# Altium PCB Carrier-Board-Apalis.PcbDoc (part 5 of 5)
Units mm, origin at the board's own origin, x right, y up, seen from the top; angles counter-clockwise.
Board outline 97 x 270 mm, 4 copper layers (Top Layer, VCC, GND, Bottom Layer), stack 1.62 mm thick; 326 components, 351 nets, 1611 pads, 935 vias.
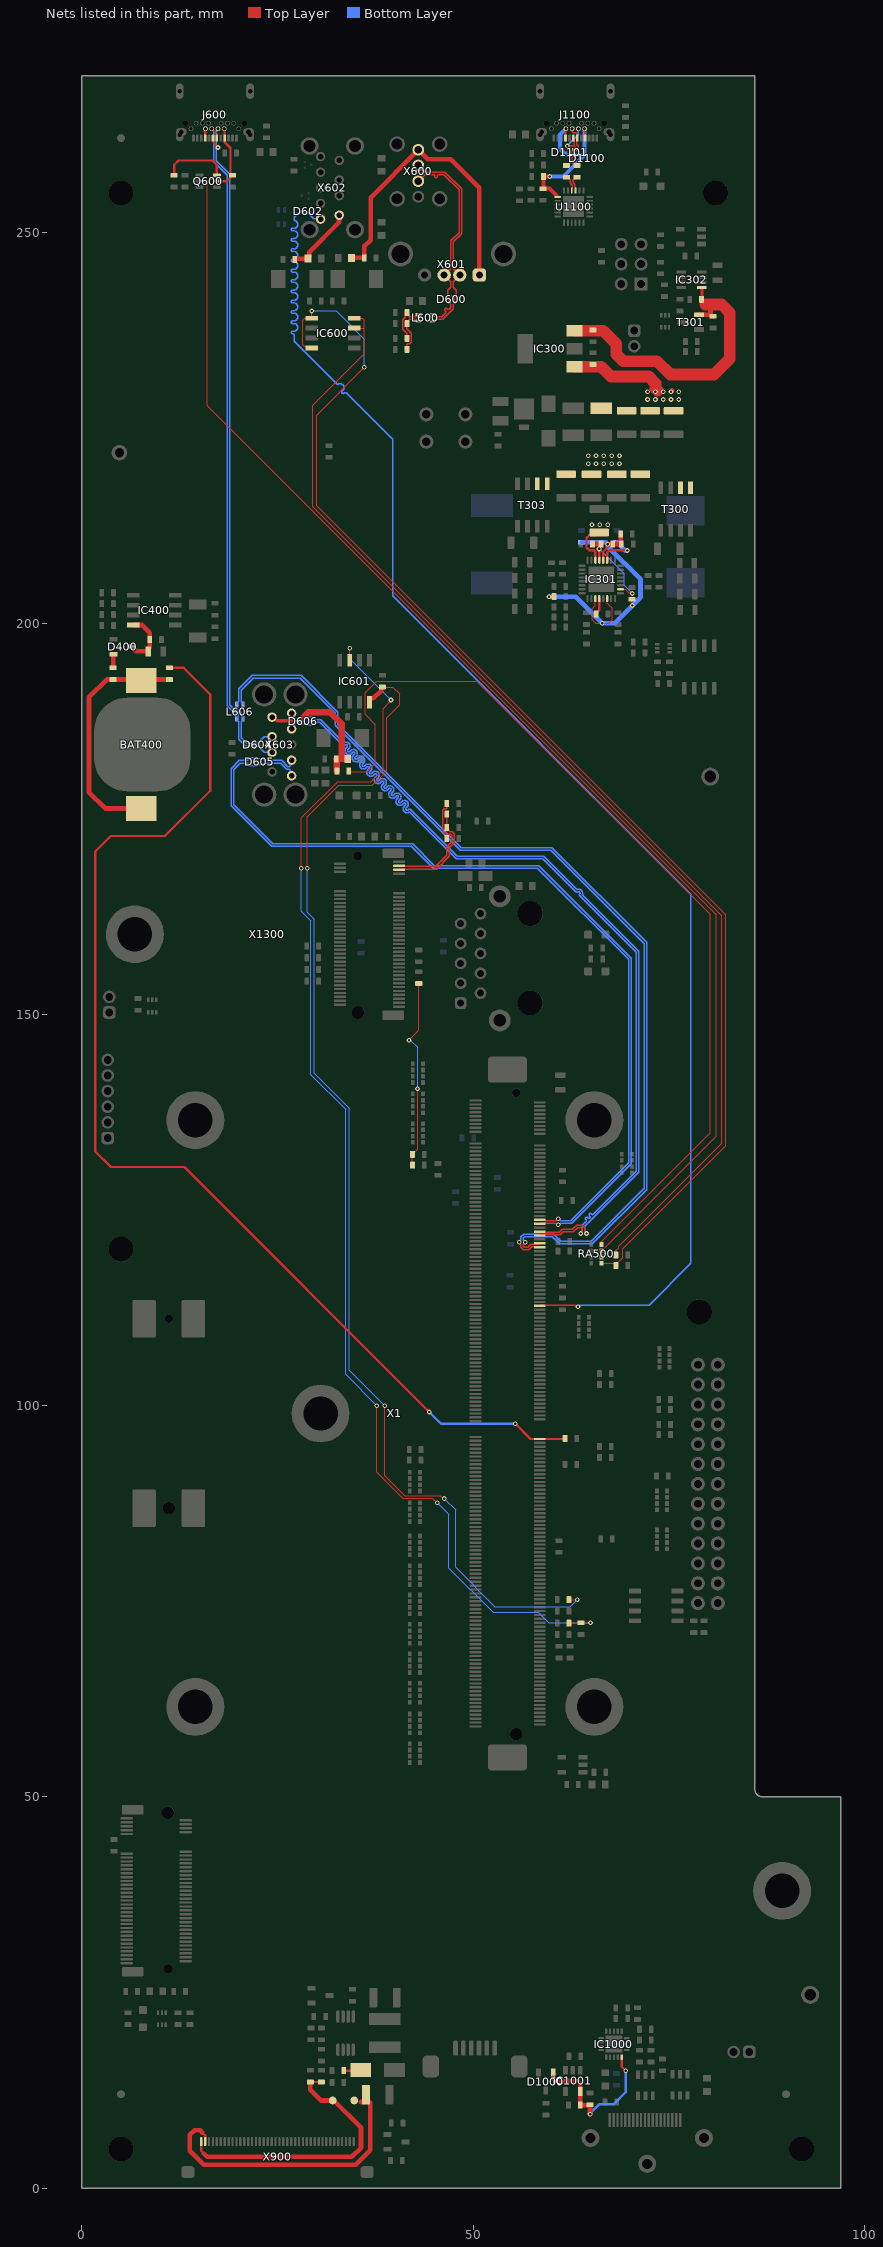
[diagram p7: the nets of this part, all layers, seen from the top]

## Via types
v1: diameter 0.6, hole 0.3, Top Layer to Bottom Layer, tented both sides, 818 vias
v2: diameter 0.6, hole 0.3, Top Layer to Bottom Layer, 117 vias

## Nets (pads, with @x,y where several pads share a name; then routed paths per layer and width w, separated by ;. In a path a pad name is that pad's centre, name@x,y a point inside that pad or via, vN(x,y) a via of type N, cw(c..) or ccw(c..) an arc to the next point about the centre after c; other vN are vias at no path point) (continued)
USBH4_SSTX_P: D602.1 X1.106 X602.9 | length 193.5
  Top Layer w0.165: X1.106@58.5,112.75 58.568,112.817 59.244,112.817 59.264,112.837 60.53,112.837 63.086,112.837 63.298,112.625 v1(63.4,112.625)
  Bottom Layer w0.165: X602.9@30.5,251.65 30.452,251.698 29.649,251.698 28.943,252.404 28.943,252.417 28.872,252.488 28.639,252.488 28.543,252.391 28.543,252.368 D602.1@28.475,252.3 28.407,252.368 28.407,252.391 28.311,252.488 27.757,252.488 27.17,251.9 27.17,251.461 cw(c27.094,250.976) 27.585,250.976 cw(c27.094,250.976) 27.094,250.484 26.921,250.484 ccw(c26.921,250.318) 26.921,250.151 27.094,250.151 cw(c27.094,249.66) 27.585,249.66 cw(c27.094,249.66) 27.094,249.168 26.921,249.168 ccw(c26.921,249.002) 26.921,248.835 27.094,248.835 cw(c27.094,248.344) 27.585,248.344 cw(c27.094,248.344) 27.094,247.852 26.921,247.852 ccw(c26.921,247.686) 26.921,247.519 27.094,247.519 cw(c27.094,247.028) 27.585,247.028 cw(c27.094,247.028) 27.094,246.536 26.921,246.536 ccw(c26.921,246.37) 26.921,246.203 27.094,246.203 cw(c27.094,245.712) 27.585,245.712 cw(c27.094,245.712) 27.094,245.22 26.921,245.22 ccw(c26.921,245.054) 26.921,244.887 27.094,244.887 cw(c27.094,244.396) 27.585,244.396 cw(c27.094,244.396) 27.094,243.904 26.921,243.904 ccw(c26.921,243.738) 26.921,243.571 27.094,243.571 cw(c27.094,243.08) 27.585,243.08 cw(c27.094,243.08) 27.094,242.588 26.921,242.588 ccw(c26.921,242.422) 26.921,242.255 27.094,242.255 cw(c27.094,241.764) 27.585,241.764 cw(c27.094,241.764) 27.094,241.272 26.921,241.272 ccw(c26.921,241.106) 26.921,240.939 27.094,240.939 cw(c27.094,240.448) 27.585,240.448 cw(c27.094,240.448) 27.094,239.956 26.921,239.956 ccw(c26.921,239.79) 26.921,239.623 27.094,239.623 cw(c27.094,239.132) 27.585,239.132 cw(c27.094,239.132) 27.094,238.64 26.921,238.64 ccw(c26.921,238.474) 26.921,238.307 27.094,238.307 cw(c27.094,237.816) 27.585,237.816 cw(c27.094,237.816) 27.094,237.324 26.921,237.324 ccw(c26.921,237.158) 26.921,236.991 cw(c26.921,236.742) 27.17,236.742 27.17,236.065 32.722,230.513 cw(c33.012,230.116) 33.359,230.463 cw(c33.012,230.116) 33.503,230.116 cw(c33.012,230.116) 33.359,229.768 33.237,229.646 ccw(c33.354,229.528) 33.237,229.41 ccw(c33.354,229.528) 33.472,229.41 cw(c33.648,229.234) 33.824,229.41 39.7,223.535 39.7,203.5 77.825,165.375 77.825,118.173 72.501,112.849 67.641,112.849 67.629,112.837 63.714,112.837 63.502,112.625 v1(63.4,112.625)
USBH_D_CON_N: D600.2 L600.1 X600.2 X601.2 | length 26.9
  Top Layer w0.165: X600.2@43,258.51 43.838,257.672 44.078,257.672 46.387,257.672 48.525,255.535 48.525,249.797 47.462,248.734 47.462,245.338 X601.2@48.3,244.5 47.462,243.662 47.462,242.926 47.832,242.556 47.832,241.857 47.682,241.707 47.682,241.008 D600.2@47.65,240.975 47.582,240.908 47.559,240.908 47.462,240.811 47.462,240.203 46.137,238.878 45.189,238.878 L600.1@45.093,238.781 ; L600.1@44.8,238.64 44.953,238.64 L600.1@45.093,238.78
USBH_D_CON_P: D600.1 L600.2 X600.3 X601.3 | length 26.9
  Top Layer w0.165: X600.3@43,256.51 43.838,257.348 44.212,257.348 44.6,257.348 44.766,257.348 44.933,257.348 cw(c44.933,257.181) 45.099,257.181 45.099,257.098 ccw(c45.266,257.098) 45.266,256.932 ccw(c45.266,257.098) 45.432,257.098 45.432,257.181 cw(c45.599,257.181) 45.599,257.348 45.765,257.348 46,257.348 46.252,257.348 48.2,255.4 48.2,249.932 47.138,248.869 47.138,245.338 X601.3@46.3,244.5 47.138,243.662 47.138,242.926 46.768,242.556 46.768,241.857 46.918,241.707 46.918,241.008 D600.1@46.95,240.975 47.018,240.908 47.041,240.908 47.138,240.811 47.138,240.338 47.062,240.262 46.944,240.144 cw(c46.827,240.262) 46.709,240.144 46.65,240.203 ccw(c46.533,240.085) 46.415,240.203 ccw(c46.533,240.085) 46.415,239.967 46.473,239.909 cw(c46.356,239.791) 46.473,239.673 46.356,239.556 46.12,239.32 46.002,239.203 45.189,239.203 45.093,239.299 44.953,239.44 L600.2@44.8,239.44
USBH_D_FILT_N: L600.4 R600.2 R602.2 | length 5.8
  Top Layer w0.165: R600.2@41.55,235 41.55,235.621 41.647,235.717 41.902,235.717 42.082,235.898 42.082,237.083 41.55,237.615 R602.2@41.55,238.3 41.768,238.517 41.768,238.741 41.904,238.878 42.611,238.878 L600.4@42.707,238.781 ; L600.4@42.707,238.78 42.847,238.64 L600.4@43,238.64
USBH_D_FILT_P: L600.3 R601.2 R603.2 | length 5.6
  Top Layer w0.165: R601.2@41.55,236.4 41.55,237.05 41,237.6 41,238.8 41.333,239.133 41.333,239.337 41.55,239.554 R603.2@41.55,239.7 41.768,239.483 41.768,239.259 41.824,239.203 42.611,239.203 42.707,239.299 42.847,239.44 L600.3@43,239.44
USBH_EN: IC600.3 IC600.4 R504.2 RA500.7 | length 154.2
  Top Layer w0.15: IC600.3@34.786,237.73 36.1,237.73 ; IC600.4@34.786,239 35.8,239 36.1,238.7 36.1,237.73 ; RA500.7@66.4,119 68.025,119 68.25,119.225 R504.2@68.25,119.25 68.25,119.775 68.64,120.165 68.64,120.373 81.8,133.533 81.8,162.621 29.5,214.921 29.5,227.842 36.1,234.442 36.1,237.73
USBH_OC#: IC600.5 IC600.8 R503.2 RA500.8 | length 165.2
  Top Layer w0.15: IC600.8@29.386,235.19 29.204,235.372 28.449,235.372 28.2,235.621 28.2,238.741 28.459,239 IC600.5@29.386,239 v1(29.386,239.909) ; v1(36.1,232.7) 30,226.6 30,215 82.27,162.73 82.27,133.21 69.11,120.05 69.11,118.91 68.25,118.05 R503.2@68.25,117.975 ; RA500.8@66.4,118.2 68.025,118.2 R503.2@68.25,117.975 ; R503.2@68.25,117.9 R503.2@68.25,117.975
  Bottom Layer w0.15: v1(29.386,239.909) 32.491,239.909 36.1,236.3 v1(36.1,232.7)
USBH_PCIE_N: R1308.2 R1310.2 X1300.5 | length 13.4
  Top Layer w0.165: X1300.5@40.55,168.5 40.617,168.567 41.319,168.567 41.339,168.588 45.347,168.588 46.975,170.215 46.975,171.309 47.59,171.925 47.59,173.075 47.303,173.362 46.964,173.362 46.867,173.459 46.867,173.682 R1308.2@46.65,173.9 R1310.2@46.65,175.6
USBH_PCIE_P: R1309.2 R1311.2 X1300.3 | length 15.8
  Top Layer w0.165: X1300.3@40.55,169 40.617,168.932 41.319,168.932 41.339,168.912 45.212,168.912 46.65,170.35 46.65,171.444 47.265,172.059 47.265,172.941 47.169,173.038 46.964,173.038 46.867,172.941 46.867,172.718 R1309.2@46.65,172.5 46.65,173.121 46.553,173.217 46.298,173.217 46.1,173.415 46.1,176.085 46.298,176.282 46.553,176.282 46.62,176.349 46.62,176.92 R1311.2@46.65,176.95
USBO1_D_CON_N: D604.2 J600.A7 J600.B7 L606.3 X603.2 | length 85.9
  Top Layer w0.165: J600.A7@16.75,261.995 16.772,261.973 16.772,261.428 v1(17.4,260.8)
  Bottom Layer w0.165: J600.B7@17.4,263.2 17.4,263.123 17.162,262.886 17.162,259.13 18.9,257.393 18.9,189.6 19.4,189.1 19.644,188.856 20.063,188.856 20.362,188.557 20.362,188.189 20.459,188.093 20.6,187.953 L606.3@20.6,187.8 20.6,187.647 20.46,187.508 20.362,187.411 20.362,185.338 21.038,184.662 21.911,184.662 22.007,184.759 22.007,184.783 D604.2@22.075,184.85 22.142,184.783 22.142,184.759 22.239,184.662 22.472,184.662 22.543,184.733 22.543,184.746 23.296,185.5 X603.2@24.3,185.5
USBO1_D_CON_P: D604.1 J600.A6 J600.B6 L606.4 X603.3 | length 86.5
  Top Layer w0.165: J600.B6@16.6,263.2 17.233,262.567 17.233,262.012 J600.A6@17.25,261.995
  Bottom Layer w0.165: J600.B6@16.6,263.2 16.6,263.123 16.838,262.886 16.838,258.996 18.575,257.258 18.575,189.465 19.075,188.965 19.169,188.872 19.509,188.531 19.929,188.531 20.038,188.423 20.038,188.189 19.941,188.093 19.8,187.953 L606.4@19.8,187.8 19.8,187.647 19.94,187.508 20.038,187.411 20.038,185.203 20.903,184.338 21.911,184.338 22.007,184.241 22.007,184.218 D604.1@22.075,184.15 22.142,184.218 22.142,184.241 22.239,184.338 22.472,184.338 22.543,184.267 22.543,184.254 23.296,183.5 X603.3@24.3,183.5
USBO1_D_N: L606.2 X1.76 | length 123.7
  Top Layer w0.165: v1(55.9,120.9) 55.9,120.798 56.112,120.586 56.112,120.218 56.399,119.931 57.096,119.931 57.503,120.337 57.736,120.337 57.756,120.317 58.432,120.317 X1.76@58.5,120.25
  Bottom Layer w0.165: L606.2@20.6,189.6 20.6,189.753 20.46,189.893 20.362,189.989 20.362,191.462 21.9,193 27.907,193 32.4,188.507 32.4,186.94 48.34,171 59.94,171 71.875,159.065 71.875,127.759 65.116,121 61.2,121 60.275,121.925 56.455,121.925 56.112,121.582 56.112,121.214 55.9,121.002 v1(55.9,120.9)
USBO1_D_P: L606.1 X1.74 | length 124.3
  Top Layer w0.165: v1(56.65,120.9) 56.65,120.798 56.437,120.586 56.437,120.353 56.534,120.256 56.961,120.256 57.368,120.662 57.736,120.662 57.756,120.682 58.432,120.682 X1.74@58.5,120.75
  Bottom Layer w0.165: L606.1@19.8,189.6 19.8,189.753 19.94,189.893 20.038,189.989 20.038,191.597 21.765,193.325 28.042,193.325 32.725,188.642 32.725,187.075 48.475,171.325 60.075,171.325 72.2,159.2 72.2,127.625 65.25,120.675 61.065,120.675 60.14,121.6 56.59,121.6 56.437,121.447 56.437,121.214 56.65,121.002 v1(56.65,120.9)
USBO1_EN: IC601.3 R501.2 R502.2 | length 162.3
  Top Layer w0.15: v1(28.05,168.7) 28.05,175.121 32.674,179.745 36.945,179.745 38.5,181.3 38.5,189.1 39.5,190.1 v1(39.5,190.2) ; v1(34.215,196.8) IC601.3@34.215,195.3 IC601.3@34.237,195.278 ; v1(37.7,100) 37.7,91.5 41,88.2 44.8,88.2 v1(45.4,87.6) ; R501.2@62.25,72.2 62.3,72.25 R502.2@63.8,72.25 v1(65,72.25)
  Bottom Layer w0.15: v1(28.05,168.7) 28.05,163.207 29.255,162.002 29.255,142.316 33.7,137.871 33.7,104 v1(37.7,100) ; v1(34.215,196.8) 34.215,195.485 v1(39.5,190.2) ; v1(45.4,87.6) 46.9,86.1 46.9,79.25 52.55,73.6 58.3,73.6 59.65,72.25 v1(65,72.25)
USBO1_ID: Q600.3 R607.2 RA500.6 | length 179.8
  Top Layer w0.15: Q600.3@17.25,257.25 17.027,257.25 16.825,257.048 16.825,257.035 16,256.21 16,227.8 81.08,162.72 81.08,134.43 66.875,120.225 66.875,120.207 66.693,120.025 66.575,120.025 66.4,119.85 RA500.6@66.4,119.8
  Top Layer w0.3: R607.2@11.8,257.25 11.8,258.6 12.35,259.15 16.7,259.15 17.25,258.6 Q600.3@17.25,257.25
USBO1_OC#: IC601.8 R500.2 R605.1 | length 154.3
  Top Layer w0.15: v1(28.8,168.7) 28.8,175.241 32.859,179.3 37.129,179.3 38.945,181.116 38.945,187.945 40.6,189.6 40.6,191 39.75,191.85 R605.1@38.4,191.85 R605.1@38.25,191.85 ; v1(38.7,99.99) 38.7,91.06 41.26,88.5 45.8,88.5 46.016,88.284 46.019,88.284 46.178,88.125 v1(46.3,88.125) ; R500.2@62.25,75.2 v1(63.3,75.2)
  Top Layer w0.6: IC601.8@36.755,189.9 36.755,190.4 37.255,190.4 38.25,191.395 R605.1@38.25,191.85
  Bottom Layer w0.15: v1(28.8,168.7) 28.8,163.086 29.7,162.186 29.7,142.5 34.181,138.019 34.181,104.508 v1(38.7,99.99) ; v1(46.3,88.125) 47.756,86.669 47.756,79.317 52.774,74.3 62.4,74.3 v1(63.3,75.2)
USBO1_SSRX_N: D605.2 X1.64 X603.5 | length 113.8
  Top Layer w0.165: X1.64@58.5,123.25 58.568,123.317 59.244,123.317 59.264,123.337 60.586,123.337 60.798,123.125 v1(60.9,123.125)
  Bottom Layer w0.165: X603.5@26.8,180.5 26.6,180.7 26.6,181.208 26.471,181.338 26.199,181.338 25.399,182.138 23.289,182.138 23.192,182.041 23.192,182.018 D605.2@23.125,181.95 23.092,181.918 22.393,181.918 22.243,181.768 21.544,181.768 21.174,182.138 20.238,182.138 19.4,181.3 19.4,176.8 24.4,171.8 42.26,171.8 45.06,169 58.36,169 70.2,157.16 70.2,130.94 62.597,123.337 61.214,123.337 61.002,123.125 v1(60.9,123.125)
USBO1_SSRX_P: D605.1 X1.62 X603.6 | length 113.8
  Top Layer w0.165: X1.62@58.5,123.75 58.568,123.682 59.244,123.682 59.264,123.662 60.586,123.662 60.798,123.875 v1(60.9,123.875)
  Bottom Layer w0.165: X603.6@26.8,182.5 26.6,182.3 26.6,181.792 26.471,181.662 26.334,181.662 25.534,182.462 23.289,182.462 23.192,182.559 23.192,182.582 D605.1@23.125,182.65 23.092,182.682 22.393,182.682 22.243,182.832 21.544,182.832 21.174,182.462 20.103,182.462 19.075,181.435 19.075,176.665 24.265,171.475 42.125,171.475 44.925,168.675 58.225,168.675 69.875,157.025 69.875,131.075 62.462,123.662 61.214,123.662 61.002,123.875 v1(60.9,123.875)
USBO1_SSTX_N: D606.1 X1.70 X603.8 | length 113.6
  Top Layer w0.165: X1.70@58.5,121.75 58.568,121.817 59.244,121.817 59.264,121.837 61.136,121.837 61.498,122.2 62.8,122.2 63.35,122.75 63.8,122.75 63.963,122.587 63.963,122.314 63.75,122.102 v1(63.75,122)
  Bottom Layer w0.165: X603.8@26.8,186.5 26.8,186.66 27.478,187.338 27.711,187.338 27.807,187.241 27.807,187.218 D606.1@27.875,187.15 27.907,187.118 28.607,187.118 28.757,186.968 29.456,186.968 29.826,187.338 30.4,187.338 33.309,184.429 ccw(c33.485,184.605) 33.661,184.429 cw(c33.779,184.311) 33.897,184.429 cw(c33.779,184.311) 33.945,184.311 cw(c33.779,184.311) 33.897,184.193 33.774,184.071 ccw(c34.122,183.723) 33.774,183.376 ccw(c34.122,183.723) 34.469,183.376 34.592,183.498 cw(c34.709,183.38) 34.827,183.498 cw(c34.709,183.38) 34.876,183.38 cw(c34.709,183.38) 34.827,183.263 34.705,183.14 ccw(c35.052,182.793) 34.705,182.445 ccw(c35.052,182.793) 35.4,182.445 35.522,182.568 cw(c35.64,182.45) 35.758,182.568 cw(c35.64,182.45) 35.807,182.45 cw(c35.64,182.45) 35.758,182.332 35.635,182.21 ccw(c35.983,181.862) 35.635,181.514 ccw(c35.983,181.862) 36.33,181.514 36.453,181.637 ; 36.453,181.637 cw(c36.571,181.519) 36.688,181.637 cw(c36.571,181.519) 36.737,181.519 cw(c36.571,181.519) 36.688,181.402 36.566,181.279 ccw(c36.913,180.931) 36.566,180.584 ccw(c36.913,180.931) 37.261,180.584 37.383,180.706 cw(c37.501,180.589) 37.619,180.706 cw(c37.501,180.589) 37.668,180.589 cw(c37.501,180.589) 37.619,180.471 37.496,180.348 ccw(c37.844,180.001) 37.496,179.653 ccw(c37.844,180.001) 38.191,179.653 38.314,179.776 cw(c38.432,179.658) 38.549,179.776 cw(c38.432,179.658) 38.598,179.658 cw(c38.432,179.658) 38.549,179.54 38.427,179.418 ccw(c38.774,179.07) 38.427,178.723 ccw(c38.774,179.07) 39.122,178.723 39.244,178.845 cw(c39.362,178.728) 39.48,178.845 cw(c39.362,178.728) 39.529,178.728 cw(c39.362,178.728) 39.48,178.61 39.357,178.487 ccw(c39.705,178.14) 39.357,177.792 ccw(c39.705,178.14) 40.052,177.792 40.175,177.915 cw(c40.293,177.797) 40.41,177.915 cw(c40.293,177.797) 40.459,177.797 cw(c40.293,177.797) 40.41,177.679 40.288,177.557 ccw(c40.635,177.209) 40.288,176.862 ccw(c40.635,177.209) 40.983,176.862 41.106,176.984 cw(c41.223,176.867) 41.341,176.984 cw(c41.223,176.867) 41.39,176.867 cw(c41.223,176.867) 41.341,176.749 41.218,176.626 ccw(c41.566,176.279) 41.218,175.931 ccw(c41.566,176.279) 41.856,175.882 47.862,169.875 58.925,169.875 63.162,165.638 ; 63.162,165.638 ccw(c63.277,165.752) 63.392,165.638 cw(c63.501,165.529) 63.609,165.638 ; 63.628,165.619 cw(c63.519,165.51) 63.673,165.51 cw(c63.519,165.51) 63.628,165.402 ccw(c63.743,165.287) 63.628,165.172 70.875,157.925 70.875,129.975 67,126.1 65.375,124.475 cw(c65.258,124.593) 65.14,124.475 65.1,124.515 ccw(c64.982,124.398) 64.864,124.515 ccw(c64.982,124.398) 64.864,124.28 64.904,124.24 cw(c64.787,124.122) 64.904,124.004 cw(c64.787,124.122) 64.669,124.004 64.629,124.044 ccw(c64.511,123.927) 64.393,124.044 ccw(c64.511,123.927) 64.393,123.809 64.433,123.769 cw(c64.316,123.651) 64.433,123.533 64.316,123.416 64.08,123.18 63.963,123.063 63.963,122.314 63.75,122.102 v1(63.75,122)
USBO1_SSTX_P: D606.2 X1.68 X603.9 | length 113.6
  Top Layer w0.165: X1.68@58.5,122.25 58.568,122.182 59.244,122.182 59.264,122.162 61.001,122.162 61.364,122.525 62.665,122.525 63.215,123.075 63.934,123.075 64.288,122.722 64.288,122.314 64.5,122.102 v1(64.5,122)
  Bottom Layer w0.165: X603.9@26.8,188.5 26.8,188.34 27.478,187.662 27.711,187.662 27.807,187.759 27.807,187.782 D606.2@27.875,187.85 27.907,187.882 28.607,187.882 28.757,188.032 29.456,188.032 29.826,187.662 30.535,187.662 33.489,184.708 cw(c33.779,184.311) 34.126,184.658 cw(c33.779,184.311) 34.27,184.311 cw(c33.779,184.311) 34.126,183.963 34.004,183.841 ccw(c34.122,183.723) 34.004,183.605 ccw(c34.122,183.723) 34.239,183.605 34.362,183.728 cw(c34.709,183.38) 35.057,183.728 cw(c34.709,183.38) 35.201,183.38 cw(c34.709,183.38) 35.057,183.033 34.934,182.91 ccw(c35.052,182.793) 34.934,182.675 ccw(c35.052,182.793) 35.17,182.675 35.292,182.797 cw(c35.64,182.45) 35.988,182.797 cw(c35.64,182.45) 36.132,182.45 cw(c35.64,182.45) 35.988,182.102 35.865,181.98 ccw(c35.983,181.862) 35.865,181.744 ccw(c35.983,181.862) 36.1,181.744 36.223,181.867 cw(c36.571,181.519) 36.918,181.867 cw(c36.571,181.519) 37.062,181.519 cw(c36.571,181.519) 36.918,181.172 36.796,181.049 ccw(c36.913,180.931) 36.796,180.814 ccw(c36.913,180.931) 37.031,180.814 37.154,180.936 cw(c37.501,180.589) 37.849,180.936 cw(c37.501,180.589) 37.993,180.589 cw(c37.501,180.589) 37.849,180.241 37.726,180.119 ccw(c37.844,180.001) 37.726,179.883 ccw(c37.844,180.001) 37.961,179.883 38.084,180.006 cw(c38.432,179.658) 38.779,180.006 cw(c38.432,179.658) 38.923,179.658 cw(c38.432,179.658) 38.779,179.311 38.657,179.188 ccw(c38.774,179.07) 38.657,178.953 ccw(c38.774,179.07) 38.892,178.953 39.015,179.075 cw(c39.362,178.728) 39.71,179.075 cw(c39.362,178.728) 39.854,178.728 cw(c39.362,178.728) 39.71,178.38 39.587,178.258 ccw(c39.705,178.14) 39.587,178.022 ccw(c39.705,178.14) 39.822,178.022 39.945,178.145 cw(c40.293,177.797) 40.64,178.145 cw(c40.293,177.797) 40.784,177.797 cw(c40.293,177.797) 40.64,177.45 40.518,177.327 ccw(c40.635,177.209) 40.518,177.092 ccw(c40.635,177.209) 40.753,177.092 40.876,177.214 cw(c41.223,176.867) 41.571,177.214 cw(c41.223,176.867) 41.715,176.867 cw(c41.223,176.867) 41.571,176.519 41.448,176.396 ccw(c41.566,176.279) 41.448,176.161 ccw(c41.566,176.279) 41.684,176.161 cw(c41.86,175.985) 42.036,176.161 47.997,170.2 59.06,170.2 63.297,165.962 cw(c63.501,165.529) 63.839,165.867 ; 63.858,165.848 cw(c63.519,165.51) 63.998,165.51 cw(c63.519,165.51) 63.952,165.307 71.2,158.06 71.2,129.84 64.287,122.928 64.287,122.314 64.5,122.102 v1(64.5,122)
USBO1_VBUS: R604.1 RA500.5 | length 118.6
  Top Layer w0.15: R604.1@34.013,181.013 R604.1@34.1,181.1 34.1,181.025 36.425,181.025 37.5,182.1 37.5,187.05 36.2,188.35 36.2,191.1 37.7,192.6 50.485,192.6 80.3,162.785 80.3,134.875 66.4,120.975 RA500.5@66.4,120.6
V5FILT: C306.2 IC301.3 IC301.6 IC301.20 R301.1 R302.2 R308.2 R313.2 R319.2 | length 41.9
  Top Layer w0.15: IC301.3@65.629,203.15 65.629,202.279 65.2,201.85 65.2,200.45 65.65,200 v1(66.5,200) 67.36,200 67.775,200.415 67.775,201.925 67.129,202.571 IC301.6@67.129,203.15 ; R302.2@70.3,203.06 70.3,202.31 v1(70.35,202.26)
  Top Layer w0.3: v1(59.7,203.4) R313.2@60.35,203.4 ; IC301.20@66.629,208.05 66.629,209.149 v1@67.344,209.864
  Top Layer w0.6: v1(67.2,210.1) R301.1@67.85,210.1 68.95,210.1 68.95,210.25 68.85,210.349 C306.2@68.85,211.4
  Bottom Layer w0.6: v1(59.7,203.4) 63.1,203.4 v1(66.5,200) 68.09,200 v1(70.35,202.26) 71.4,203.31 71.4,205.6 67.2,209.8 v1(67.2,210.1) 66.95,210.35 R319.2@63.879,210.35
V_SUPPLY_FILT: C201.2 C202.2 C203.2 C301.2 C302.2 C303.2 C312.2 C316.2 C317.2 IC300.1 IC301.22 L200.2 T300.5 T300.6 T303.5 T303.6 | length 20.5
  Top Layer w0.3: IC301.22@65.629,208.05 65.629,209.111 65.393,209.347 64.853,209.347 64.5,209.7 64.5,210.9 64.85,211.25 65.779,211.25 C312.2@66.129,211.6
  Top Layer w0.6: IC300.1@62.95,232.782 63.25,233.082 C303.2@65.3,233.082 ; v2(75.3,229.6) v2@75.444,229.744
  Top Layer w1.5: IC300.1@62.95,232.782 66.362,232.782 67.604,231.54 72.421,231.54 73.3,230.661 73.3,230.044 73.6,229.744
  other v1: 65.2,212.6 66.2,212.6 67.2,212.6
  other v2: 64.7,220.4 65.7,220.4 66.7,220.4 67.7,220.4 68.7,220.4 64.7,221.4 65.7,221.4 66.7,221.4 67.7,221.4 68.7,221.4 72.3,228.6 73.3,228.6 74.3,228.6 75.3,228.6 76.3,228.6 72.3,229.6 73.3,229.6 74.3,229.6 76.3,229.6
VBUS_OTG: J600.A4 J600.A9 J600.B4 J600.B9 Q600.2 R608.2 | length 10
  Top Layer w0.3: J600.A9@15.75,261.995 15.775,262.02 15.775,263.175 J600.B4@15.8,263.2 ; Q600.2@17.25,256.5 18.5,256.5 18.95,256.95 18.95,257.1 19.1,257.25 R608.2@19.15,257.25 ; J600.B9@18.2,263.2 18.225,263.175 18.225,262.02 J600.A4@18.25,261.995 18.275,261.97 18.275,261.452 19,260.727 19,257.4 R608.2@19.15,257.25 ; R608.2@19.25,257.25 R608.2@19.15,257.25
VCC_BATT: BAT400.1 R401.1 R402.1 | length 31
  Top Layer w0.6: BAT400.1@7.578,176.33 2.97,176.33 0.9,178.4 0.9,190.514 3.186,192.8 3.703,192.8 3.718,192.815 R402.1@4,192.815 7.433,192.815 BAT400.1@7.578,192.67 7.708,192.8 R401.1@11.2,192.8
VCC_EXTRTC: D400.2 R402.2 | length 1.8
  Top Layer w0.6: R402.2@4,194.315 4,196.05 D400.2@4.05,196.05
VCC_INTRTC: C210.2 R401.2 X1.174 | length 150.4
  Top Layer w0.3: R401.2@11.2,194.3 13,194.3 16.4,190.9 16.4,178.6 10.6,172.8 3.675,172.8 1.7,170.825 1.7,132.5 3.7,130.5 13.1,130.5 v1(44.4,99.2) ; v1(55.4,97.7) 57.35,95.75 X1.174@58.5,95.75 61.7,95.75 C210.2@61.75,95.8
  Bottom Layer w0.3: v1(44.4,99.2) 45.9,97.7 v1(55.4,97.7)
VCC_RTC: C402.2 C403.1 D400.3 IC400.8 | length 7.5
  Top Layer w0.6: D400.3@6.35,197 6.55,197 6.55,196.8 6.942,196.408 C403.1@8.475,196.408 8.475,196.708 8.675,196.908 C402.2@8.675,197.908 8.675,198.79 7.692,199.773 IC400.8@6.55,199.773
VCC_USBH2: C602.2 L602.2 X600.1 X601.1 | length 39.3
  Top Layer w0.6: L602.2@34.45,246.7 C602.2@36.1,246.7 36.1,248.154 36.9,248.954 36.9,254.41 X600.1@43,260.51 44.21,259.3 47.15,259.3 50.8,255.65 X601.1@50.8,244.5
VCC_USBH4: C605.2 L603.2 X602.1 | length 9
  Top Layer w0.6: C605.2@27.2,246.5 27.2,246.6 L603.2@28.91,246.6 29.045,246.735 29.045,247.445 32.862,251.262 32.862,252.112 X602.1@32.9,252.15
VCC_USBO1: C608.2 L607.2 R604.2 X603.1 | length 17.7
  Top Layer w0.4: X603.1@24.3,188 24.484,188 24.938,187.546 27.195,187.546 27.199,187.55 27.85,187.55 28.3,188
  Top Layer w0.8: 28.3,188 28.94,188.64 31.7,188.64 33.2,187.14 33.2,182.65 ; R604.2@32.6,181.1 32.56,181.14 32.56,182.61 C608.2@32.521,182.65 33.2,182.65 ; L607.2@33.981,182.65 33.2,182.65
VCOM_CON_N: D1101.2 J1100.A7 J1100.B7 R1103.2 | length 8
  Top Layer w0.165: R1103.2@61.924,258.51 62.142,258.727 62.345,258.727 62.441,258.824 62.441,259.09 62.321,259.21 62.321,260.024 62.721,260.424 62.721,260.495 D1101.2@62.789,260.562 62.856,260.63 62.987,260.63 63.084,260.727 63.084,260.863 62.897,261.05 ; v1(62.047,260.998) 62.844,260.998 62.897,261.05 ; J1100.A7@62.809,261.995 62.897,261.907 62.897,261.05
  Bottom Layer w0.165: v1(62.047,260.998) 63.459,262.41 J1100.B7@63.459,263.2
VCOM_CON_P: D1101.1 J1100.A6 J1100.B6 R1104.2 | length 6
  Top Layer w0.165: J1100.B6@62.659,263.2 62.673,263.187 62.673,262.769 62.769,262.673 63.12,262.673 63.217,262.576 63.217,262.454 63.22,262.451 63.22,262.084 J1100.A6@63.309,261.995 63.222,261.908 63.222,261.185 63.409,260.998 63.409,260.553 62.856,260.001 62.856,259.93 D1101.1@62.789,259.862 62.646,259.72 62.646,259.344 62.766,259.224 62.766,258.824 62.863,258.727 63.066,258.727 R1104.2@63.283,258.51
VCOM_N: R1103.1 U1100.4 | length 2.1
  Top Layer w0.165: R1103.1@61.924,257.01 62.047,256.888 ccw(c62.276,257.117) 62.276,256.792 cw(c62.276,256.627) 62.393,256.744 cw(c62.276,256.628) 62.441,256.628 62.441,256.337 ccw(c62.764,256.337) 62.536,256.108 62.569,256.075 cw(c62.261,255.767) 62.697,255.767 62.697,255.724 cw(c62.547,255.724) 62.653,255.619 ccw(c62.758,255.513) 62.609,255.513 U1100.4@62.609,255.3
VCOM_P: R1104.1 U1100.3 | length 2.1
  Top Layer w0.165: U1100.3@63.109,255.3 63.109,255.513 ccw(c62.96,255.513) 63.065,255.619 cw(c63.171,255.724) 63.022,255.724 63.022,255.902 ccw(c62.586,255.902) 62.894,256.21 62.893,256.211 cw(c63.199,256.517) 62.766,256.517 62.766,256.628 cw(c62.931,256.628) 62.815,256.744 cw(c62.931,256.627) 62.931,256.792 ccw(c62.931,257.117) 63.161,256.888 R1104.1@63.283,257.01
VCOM_VBUS: C1102.2 D1100.1 J1100.A4 J1100.A9 J1100.B4 J1100.B9 R1100.2 U1100.7 | length 22.3
  Top Layer w0.3: J1100.A9@61.809,261.995 61.809,263.15 J1100.B4@61.859,263.2 ; J1100.B9@64.259,263.2 64.309,263.15 J1100.A4@64.309,261.995
  Top Layer w0.5: R1100.2@58.918,255.55 R1100.2@58.949,255.55 ; C1102.2@58.999,257.098 58.999,255.6 R1100.2@58.949,255.55 ; C1102.2@58.999,257.098 v1(59.8,257.1) ; U1100.7@60.659,254.625 60.659,254.675 59.784,255.55 R1100.2@58.949,255.55
  Bottom Layer w0.5: v1(59.8,257.1) 61.525,257.1 D1100.1@64.25,259.825 ; J1100.B4@61.859,263.2 61.1,262.441 61.1,260.6 61.854,259.846 64.259,259.846 J1100.B9@64.259,263.2
VDD_CEC: C1004.2 C1006.2 D1000.1 IC1000.14 IC1001.5 | length 20.1
  Top Layer w0.3: IC1000.14@69,16.75 69,15.5 v1(69.5,15)
  Top Layer w0.6: D1000.1@60.25,14.765 60.25,14.051 60.601,13.7 63.3,13.7 63.7,13.3 IC1001.5@63.7,12.351 63.7,12.101 C1006.2@63.7,10.605 64.742,10.605 64.8,10.663 C1004.2@64.95,10.663 v1(64.95,9.45)
  Bottom Layer w0.3: v1(64.95,9.45) 65,9.5 65,9.6 66.1,10.7 67.935,10.7 69.5,12.265 v1(69.5,15)
VLED_A: C903.2 D900.1 R903.2 TP900.1 X900.2 | length 40.3
  Top Layer w0.3: 15.4,7.1 15.75,6.75 X900.2@15.75,5.95 ; R903.2@33.475,15.005 35.55,15.005 D900.1@35.65,15.105
  Top Layer w0.6: 15.4,7.1 15.1,7.4 14.4,7.4 13.8,6.8 13.8,4.778 15.578,3 35,3 36.85,4.85 36.85,10.88 36.412,11.317 C903.2@36.3,11.205 ; 35.65,11.005 36.1,11.005 C903.2@36.3,11.205 ; C903.2@36.3,11.955 C903.2@36.3,11.205
VLED_K: R905.2 R906.2 TP901.1 X900.1 | length 35.8
  Top Layer w0.3: X900.1@15.25,5.95 15.25,4.757 15.607,4.4 ; R906.2@29.2,13.555 R905.2@30.6,13.555
  Top Layer w0.6: 15.607,4.4 16.007,4 34.5,4 35.675,5.175 35.675,7.688 TP901.1@32.104,11.259 ; R906.2@29.2,13.555 29.2,12.555 30.55,11.205 TP901.1@32.05,11.205
VREF2: C314.2 IC301.4 | length 2.1
  Top Layer w0.3: C314.2@65.75,201.2 65.75,201.35 65.9,201.5 65.954,201.5 66.129,201.676 IC301.4@66.129,203.15
VREG3: C311.2 IC301.19 | length 5.5
  Top Layer w0.3: IC301.19@67.129,208.05 67.129,209.013 67.466,209.35 69.428,209.35 69.43,209.347 69.642,209.347 v1(69.7,209.29)
  Bottom Layer w0.6: C311.2@68.379,210.35 68.529,210.35 68.529,210.2 69.439,209.29 v1(69.7,209.29)
VREG5: C300.2 IC301.10 IC301.21 R301.2 | length 12.2
  Top Layer w0.15: IC301.10@68.829,204.35 69.42,204.35 69.96,203.81 v1(70.35,203.81)
  Top Layer w0.3: IC301.21@66.129,208.05 v1@66.129,209.5 ; R301.2@66.129,209.729 66.35,209.95 R301.2@66.35,210.1
  Top Layer w0.6: C300.2@65.25,210.1 R301.2@66.35,210.1
  Bottom Layer w0.15: v1(66.1,209.5) 69.3,206.3 69.3,204.86 v1(70.35,203.81)
VSTB: C304.2 C318.2 IC300.3 IC302.1 R307.2 T301.2 | length 41.2
  Top Layer w0.4: C318.2@79.185,241.4 79.245,241.46 IC302.1@79.245,242.925
  Top Layer w0.6: IC300.3@62.95,237.382 63.05,237.482 C304.2@65.3,237.482 ; T301.2@78.535,239.434 T301.2@78.885,239.434 R307.2@80.335,239.434 ; C318.2@79.185,241.215 C318.2@79.185,241.4 ; 79.66,240.74 80.335,240.065 R307.2@80.335,239.434 ; R307.2@80.685,239.234 80.535,239.234 R307.2@80.335,239.434
  Top Layer w1.5: IC300.3@62.95,237.382 66.618,237.382 68.299,235.701 68.299,234.379 69.178,233.5 73.5,233.5 75.2,231.8 80.8,231.8 82.8,233.8 82.8,239.7 81.76,240.74 79.66,240.74
WAKE1_MICO#: R324.1 R325.2 R1305.1 | length 24.6
  Top Layer w0.15: v1(41.8,146.713) 43.05,147.963 R1305.1@43.05,153.95 ; R325.2@42.25,130.75 R324.1@42.25,132.121 42.25,132.258 42.475,132.483 42.612,132.483 42.9,132.771 v1(42.9,140.5)
  Bottom Layer w0.15: v1(41.8,146.713) 41.987,146.713 42.9,145.8 v1(42.9,140.5)
pads on no net: D1000.2 D1001.5 D1002.5 D1100.2 FD200. FD201. FD202. FD203. FD204. FD205. IC304.4 IC601.5 IC601.6 IC1000.1 IC1000.6 IC1000.7 IC1000.8 IC1001.4 J600. J600.A2 J600.A3 J600.A8 J600.A10 J600.A11 J600.B2 J600.B3 J600.B8 J600.B10 J600.B11 J1100. J1100.A2 J1100.A3 J1100.A8 J1100.A10 J1100.A11 J1100.B2 J1100.B3 J1100.B8 J1100.B10 J1100.B11 MECH200. P1600.14 P1600.25 P1600.26 RA300.1 RA300.5 RA400.1 RA400.2 RA400.5 RA400.6 RA907.1 RA907.2 RA907.3 RA907.5 RA907.6 RA907.7 RA1000.3 RA1000.4 RA1000.7 RA1000.8 RA1404.3 RA1404.4 RA1404.7 RA1404.8 T302.3 T302.4 T302.5 T305.3 T305.4 T305.5 T1400.3 T1400.4 T1400.5 U800.3 U800.5 U800.6 U1100.1 U1100.14 U1100.15 U1100.16 U1100.17 U1100.18 U1100.19 U1100.20 U1100.21 U1100.22 U1100.23 U1100.24 X1. X1.12 X1.14 X1.16 X1.18 X1.59 X1.61 X1.65 X1.67 X1.71 X1.73 X1.77 X1.79 X1.83 X1.85 X1.87 X1.89 X1.91 X1.95 X1.97 X1.99 X1.101 X1.103 X1.107 X1.109 X1.113 X1.115 X1.119 X1.121 X1.123 X1.125 X1.127 X1.131 X1.133 X1.135 X1.137 X1.139 X1.143 X1.144 X1.145 X1.146 X1.148 X1.149 X1.150 X1.151 X1.152 X1.154 X1.155 X1.156 X1.157 X1.158 X1.159 X1.160 X1.161 X1.162 X1.163 X1.164 X1.173 X1.175 X1.177 X1.179 X1.180 X1.181 X1.183 X1.184 X1.185 X1.187 X1.188 X1.190 X1.193 X1.195 X1.197 X1.202 X1.208 X1.210 X1.212 X1.214 X1.215 X1.216 X1.217 X1.252 X1.254 X1.258 X1.260 X1.264 X1.266 X1.270 X1.272 X1.276 X1.278 X1.282 X1.284 X1.288 X1.290 X1.294 X1.296 X1.300 X1.302 X1.305 X1.306 X1.307 X1.309 X1.310 X1.311 X1.312 X1.315 X1.316 X1.317 X1.318 X1.319 X1.321 X1.BE1 X1.BE2 X700. X900. X900.35 X900.37 X900.38 X900.39 X900.40 X901. X1000.14 X1200. X1200.0 X1200.5 X1200.6 X1200.7 X1200.8 X1200.11 X1200.13 X1200.17 X1200.19 X1200.20 X1200.22 X1200.23 X1200.24 X1200.25 X1200.26 X1200.28 X1200.29 X1200.30 X1200.31 X1200.32 X1200.34 X1200.35 X1200.36 X1200.37 X1200.40 X1200.42 X1200.44 X1200.46 X1200.48 X1200.50 X1200.51 X1200.52 X1200.53 X1200.54 X1200.55 X1200.57 X1200.58 X1200.67 X1200.68 X1200.69 X1300. X1300.0 X1300.17 X1300.19 X1300.20 X1300.21 X1300.22 X1300.23 X1300.24 X1300.25 X1300.26 X1300.27 X1300.28 X1300.29 X1300.30 X1300.31 X1300.32 X1300.34 X1300.36 X1300.38 X1300.40 X1300.42 X1300.44 X1300.46 X1300.48 X1300.50 X1300.59 X1300.61 X1300.62 X1300.64 X1300.65 X1300.66 X1300.67 X1300.68 X1300.70 X1300.71 X1300.73
copper on no net: | length 1.4
  Top Layer w0.3: 5.725,41.25 v1(7.15,41.25)

## Polygon pours and split planes (outlines as drawn)
GND on Top Layer "Top GND" (solid, remove dead copper, pour order 10): 97,0 0,0 0,270 86,270 86,50 97,50
no net on Top Layer "Top Layer-No Net" (solid, pour order 8): 74.46,233.6
no net on Top Layer "Top Layer-No Net 1" (solid, pour order 6): 74.6,233.738
GND on Bottom Layer "Bottom GND" (solid, remove dead copper, pour order 12): 97,0 0,0 0,270 86,270 85.5,269.5 85.5,50 97,50
3.3V_SW on VCC (split plane): 85.49,251.951 67.7,251.951 67.661,251.946 67.635,251.935 67.624,251.931 67.593,251.907 64.093,248.407 64.069,248.376 64.054,248.339 64.049,248.3 64.049,230.451 43.651,230.451 43.651,233.6 43.646,233.639 43.635,233.665 43.631,233.676 43.607,233.707 40.807,236.507 40.776,236.531 40.739,236.546 40.7,236.551 29.9,236.551 29.861,236.546 29.824,236.531 29.793,236.507 28.393,235.107 28.369,235.076 28.354,235.039 28.349,235 28.349,224.733 28.354,224.694 28.369,224.658 28.393,224.626 39.449,213.571 39.449,208.8 39.454,208.761 39.463,208.739 39.469,208.724 39.493,208.693 48.693,199.493 48.724,199.469 48.761,199.454 48.8,199.449 55.4,199.449 55.439,199.454 55.476,199.469 55.507,199.493 62.807,206.793 62.831,206.824 62.837,206.839 62.846,206.861 62.851,206.9 62.851,211.449 72.237,211.449 73.649,210.037 73.649,208.3 73.649,196.3 73.654,196.261 73.669,196.224 73.693,196.193 79.549,190.337 79.549,186.563 75.693,182.707 75.669,182.676 75.654,182.639 75.649,182.6 75.649,159.263 56.193,139.807 56.169,139.776 56.154,139.739 56.149,139.7 56.149,133.976 55.624,133.451 44.5,133.451 44.461,133.446 44.439,133.437 44.424,133.431 44.393,133.407 43.693,132.707 43.669,132.676 43.654,132.639 43.649,132.6 43.649,131.6 43.654,131.561 43.669,131.524 43.693,131.493 44.293,130.893 44.324,130.869 44.339,130.863 44.361,130.854 44.4,130.849 55.437,130.849 56.149,130.137 56.149,112.84 56.154,112.801 56.169,112.765 56.193,112.733 58.133,110.793 58.165,110.769 58.201,110.754 58.24,110.749 66.626,110.749 66.666,110.754 66.687,110.763 66.702,110.769 66.733,110.793 70.457,114.517 70.481,114.548 70.485,114.559 70.496,114.584 70.501,114.624 70.501,120.587 80.063,130.149 85.49,130.149 85.49,51 85.49,50.998 85.499,50.831 85.527,50.664 85.574,50.501 85.639,50.345 85.721,50.196 85.819,50.058 85.932,49.932 86.058,49.819 86.196,49.721 86.345,49.639 86.501,49.574 86.664,49.527 86.831,49.499 86.998,49.49 87,49.49 96.49,49.49 96.49,0.51 0.51,0.51 0.51,269.49 85.49,269.49
VBUS_OTG on VCC (split plane): 16.389,263.386 16.42,263.362 16.456,263.347 16.496,263.342 17.5,263.342 17.539,263.347 17.576,263.362 17.607,263.386 17.964,263.744 19.249,263.744 19.249,262.251 14.751,262.251 14.751,263.749 16.026,263.749
3.3V on VCC (split plane): 85.49,130.451 80,130.451 79.961,130.446 79.924,130.431 79.893,130.407 70.243,120.757 70.219,120.726 70.204,120.689 70.199,120.65 70.199,114.686 66.564,111.051 58.303,111.051 56.451,112.903 56.451,130.2 56.446,130.239 56.431,130.276 56.407,130.307 55.607,131.107 55.576,131.131 55.539,131.146 55.5,131.151 44.463,131.151 43.951,131.663 43.951,132.537 44.563,133.149 55.687,133.149 55.726,133.154 55.747,133.163 55.762,133.169 55.794,133.193 56.407,133.806 56.431,133.838 56.446,133.874 56.451,133.913 56.451,139.637 75.907,159.093 75.931,159.124 75.946,159.161 75.951,159.2 75.951,182.537 79.807,186.393 79.831,186.424 79.846,186.461 79.851,186.5 79.851,190.4 79.846,190.439 79.831,190.476 79.807,190.507 73.951,196.363 73.951,208.3 73.951,210.1 73.946,210.139 73.931,210.176 73.907,210.207 72.514,211.6 78.607,217.693 78.631,217.724 78.646,217.761 78.651,217.8 78.651,230.3 78.646,230.339 78.631,230.376 78.607,230.407 78.576,230.431 78.539,230.446 78.5,230.451 64.351,230.451 64.351,248.237 67.763,251.649 85.49,251.649
5V_SW on VCC (split plane): 43.349,233.537 43.349,230.363 42.293,229.307 42.269,229.276 42.254,229.239 42.249,229.2 42.249,221.9 42.254,221.861 42.263,221.839 42.269,221.824 42.293,221.793 43.793,220.293 43.824,220.269 43.861,220.254 43.9,220.249 53.837,220.249 62.549,211.537 62.549,206.963 55.337,199.751 48.863,199.751 39.751,208.863 39.751,213.633 39.746,213.672 39.737,213.694 39.731,213.709 39.707,213.74 28.651,224.796 28.651,234.937 29.963,236.249 40.637,236.249
V_SUPPLY_FILT on VCC (split plane): 78.349,217.863 72.237,211.751 62.763,211.751 54.007,220.507 53.976,220.531 53.939,220.546 53.9,220.551 43.963,220.551 42.551,221.963 42.551,229.137 43.563,230.149 78.349,230.149
GND on GND (split plane): 85.49,51 85.49,50.998 85.499,50.831 85.527,50.664 85.574,50.501 85.639,50.345 85.721,50.196 85.819,50.058 85.932,49.932 86.058,49.819 86.196,49.721 86.345,49.639 86.501,49.574 86.664,49.527 86.831,49.499 86.998,49.49 87,49.49 96.49,49.49 96.49,0.51 0.51,0.51 0.51,269.49 85.49,269.49

## Keep-outs
Keep-Out Layer:
  circle w0.1: c5,120 r3
  circle w0.1: c78.9,112 r3
  circle w0.1: c81,255 r3
  circle w0.1: c5,255 r3
  circle w0.1: c5,5 r3
  circle w0.1: c92,5 r3
  lines w0.5: 0,0 97,0 97,50 86,50 86,270 0,270 0,0

## Other copper
Top Layer:
  rectangle net GND: 38.8,10.605 42,13.43
  rectangle net GND: 34.475,20.105 36.1,22.855
  rectangle net GND: 41.7,10.605 43.3,25.7
  rectangle net GND: 39.75,23.005 42.45,25.718
  rectangle net GND: 28.871,184.05 31.771,186.65
  rectangle net GND: 23.1,242.7 26,245.3
  rectangle net GND: 35.6,242.7 38.5,245.3
  rectangle net GND: 56.6,200.7 58.624,208.576
  rectangle net GND: 53.5,233.082 57.7,237
  rectangle net GND: 57.2,208.45 58.5,211.25
  rectangle net GND: 60.3,213.4 73.1,217.4
  rectangle net GND: 71.9,200.1 76.2,203.81
  rectangle net GND: 75.7,200.1 77.2,210.4
  rectangle net GND: 65,222.3 78.5,225.8
  rectangle net 3.3V_mSATA1: 11.9,28.7 14.1,29.7
  rectangle net 3.3V_mSATA1: 12,45.8 14.1,47.2
  rectangle net 3.3V_mSATA1: 11.8,31.3 14.1,33.2
  rectangle net 3.3V_SW: 74.324,187.4 76.9,191.3
  rectangle net 3.3V_SW: 76.4,187.4 81.4,192.9
  rectangle net NetIC301_23: 54,209.49 56.1,213.3
  rectangle net NetC319_1: 55.1,213.6 58.6,216.6
  rectangle net NetIC301_18: 72.669,208.7 74.3,212.8
  rectangle net V_SUPPLY_FILT: 64.7,211 67.61,213
  rectangle net 3.3V: 77.8,196 83.5,209.1
  rectangle net NetC305_1: 73.46,213.1 79.6,216.1
  rectangle net NetC305_1: 73.5,215.2 75.8,218.3
  rectangle net 5V_SW: 49.5,200.7 55.9,209.2
  rectangle net NetC319_1: 49.7,216.2 57.3,219.5
  rectangle net V_SUPPLY_FILT: 57.8,216.9 60,218.8
  rectangle net V_SUPPLY_FILT: 76,216.4 78.5,219.2
  rectangle net PWR_IN: 43,224.9 51.7,228.5
  rectangle net GND_IN: 55.1,222.3 64.3,225.5
  rectangle net NetD201_1: 52.2,227.3 55.5,230.3
  rectangle net NetD201_1: 55.1,226 64.4,230.3
  rectangle net V_SUPPLY_FILT: 72.4,218.5 78.5,222
  rectangle net V_SUPPLY_FILT: 65,226.6 78.5,230.3
  rectangle net V_SUPPLY_FILT: 57.8,217.9 72.744,222
  region net 5V_SW: 35.7,236 34.232,236 33.672,235.441 33.672,233.6 31.658,233.6 31.658,235.441 33.117,236.9 35.7,236.9
  region: 76.625,244.225
  region: 28.75,158.75
  region: 76.605,74.45
  region net 3.3V_SW: 34.175,21.1 34.275,21.2 34.275,23.1 36.3,23.1 36.3,20.755 40.8,20.755 40.8,22.5 38.5,22.5 38.5,25.9 35.5,25.9 35.5,24.847 35.153,24.5 34.195,24.5 33.8,24.105 33.8,21.2 33.9,21.1
  region net VLED_A: 37.1,10.83 37.1,16.005 36.9,16.205 34.35,16.205 34.2,16.055 34.2,10.805 34.4,10.605 36.92,10.605
  region: 36.9,11.105
  region net DCDC_SW_B: 34.4,16.855 37.98,16.855 38.25,16.585 38.25,14.305 38.75,13.805 41.5,13.805 41.5,19.105 34.4,19.105
  pour cut-out: 72.952,217.4 75.6,214.752 76.897,214.752 78.5,213.149 78.5,200.85 77.35,199.7 71.445,199.7 69.7,201.445 69.655,201.4 63.5,201.4 63.5,198.95 62.6,198.05 57.35,198.05 56.2,199.2 56.2,200.3 54,202.5 54,213.3 54.8,213.3 55.9,214.4 55.9,219.5 72.952,219.5
  region net GND: 68,207.7 68.129,207.7 68.285,207.7 71.35,207.7 72.3,208.65 72.3,208.877 72.46,209.037 72.46,212.96 72.9,213.4 72.9,213.6 68,213.6 68,212.699 68.299,212.4 70.46,212.4 71.089,211.77 71.089,208.69 70.7,208.3 68.75,208.3 68.55,208.5 68.1,208.5 68,208.4
  region net GND: 64.403,213.6 60.3,213.6 60.3,209.65 61.65,208.3 62.6,208.3 63.2,207.7 64.4,207.7 64.5,207.6 64.7,207.6 64.8,207.7 64.8,208.4 64.7,208.5 63.6,208.5 62.4,209.7 62.4,210.424 62.876,210.9 63.726,210.9 64.4,211.574
  region net GND_IN: 43,224.5 50.9,224.5 52.1,223.3 54.36,223.3 55.674,224.614 55.674,222.424 54.85,221.6 43,221.6
  region net PWR_IN: 51,226.9 54.7,226.9 54.7,224.3 54.1,223.7 52.4,223.7 51,225.1 51,225.2
Bottom Layer:
  rectangle net 5V_SW: 49.5,200.7 55.3,203.2
  rectangle net 3.3V: 74.6,202.2 82.2,208.2
  rectangle net 5V_SW: 49.5,203.6 55.3,209.6
  rectangle net NetC319_1: 49.5,213.5 55.3,219.5
VCC (plane layer: these items are gaps in the copper):
  rectangle: 61.4,251.8 64.259,254.7
  region: 55.058,209.175 49.958,209.175 49.958,207 55.058,207
  rectangle: 79.6,202.6 81.8,207.7
  lines w0.3: 64.2,230.3 64.2,248.3 67.7,251.8 86,251.8 ; 86,130.3 80,130.3 70.35,120.65 70.35,114.624 66.626,110.9 58.24,110.9 56.3,112.84 56.3,130.2 55.5,131 44.4,131 43.8,131.6 43.8,132.6 44.5,133.3 55.687,133.3 56.3,133.913 56.3,139.7 75.8,159.2 75.8,182.6 79.7,186.5 79.7,190.4 73.8,196.3 73.8,208.3 73.8,210.1 72.3,211.6 ; 43.5,230.3 43.5,233.6 40.7,236.4 29.9,236.4 28.5,235 28.5,224.733 39.6,213.633 39.6,208.8 48.8,199.6 55.4,199.6 62.7,206.9 62.7,211.6 ; 43.5,230.3 42.4,229.2 42.4,221.9 43.9,220.4 53.9,220.4 62.7,211.6 ; 43.5,230.3 78.5,230.3 78.5,217.8 72.3,211.6 ; 62.7,211.6 72.3,211.6 ; 14.6,262.1 14.6,263.9 16.089,263.9 16.496,263.493 17.5,263.493 17.902,263.895 19.4,263.895 19.4,262.1 14.6,262.1
GND (plane layer: these items are gaps in the copper):
  lines w0.3: 62.1,199.4 62.1,211.6 63.1,212.6 ; 63,212.6 70.4,212.6 70.8,212.2 70.8,199.4

## Silkscreen, mask and mechanical layers (free items; w line width, h text height)
Top Overlay:
  region: 46.1,177.6
  lines w0.16: 1.2,196.4 1.9,197.1 3.3,197.1 ; 3.55,219.547 6.05,219.547 ; 4.05,219.047 5.55,219.047 ; 4.55,218.547 5.05,218.547 ; 4.8,219.547 4.8,220.4 ; 9.5,24.3 9.9,23.9 14.541,23.9 ; 27.9,23.6 27.9,22.599 28.499,22 28.7,22 ; 30.3,176.7 31.6,178 32,178 ; 32.9,23.155 32.9,26.5 ; 34.6,26.1 34.6,26.5 ; 36.6,173.7 37.1,174.2 38.5,174.2 ; 41.5,172.8 43.7,172.8 ; 43.9,237.3 43.9,238 ; 60,8.75 61.4,10.1 ; 61.7,8.75 62.65,9.7 64.65,9.7 64.9,9.95 ; 62.8,186.8 62.8,208 63.9,209.1 ; 63.4,8.7 63.9,9.2 66.05,9.2 66.95,10.1 ; 65,17.5 65,15.05 66,14.05 ; 65.6,23.4 66.95,22.05 66.95,20.9 ; 67.7,239.9 72.9,239.9 73.6,240.6 75.7,240.6 ; 67.7,241.1 68.23,240.57 72.47,240.57 73.4,241.5 ; 69.9,220.1 70.6,220.8 75.8,220.8 ; 73.3,21.1 73.3,22.7 73.51,22.91 ; 73.798,11.697 75.282,10.213 78.4,10.213 ; 73.9,250.5 73.9,251.4 ; 74.9,245.5 75.2,245.8 75.2,250.5 76.3,251.6 ; 75,16.1 76.381,16.1 ; 79.3,246.997 79.797,246.997 80.3,247.5 80.3,248.44 ; 79.5,245.7 80.5,246.7 ; 39.5,234.3 42.1,234.3 42.1,237.1 39.5,237.1 39.5,234.3 ; 39.5,237.6 39.5,240.4 42.1,240.4 42.1,237.6 39.5,237.6 ; 46.1,171.8 48.7,171.8 48.7,174.55 46.1,174.55 46.1,171.8 ; 46.1,174.9 46.1,177.65 48.7,177.65 48.7,174.9 46.1,174.9 ; 73.185,95.6 75.785,95.6 75.785,98.3 73.185,98.3 73.185,95.6 ; 73.185,98.785 75.785,98.785 75.785,101.5 73.185,101.5 73.185,98.785
  text "DEV" at 10.8,268 h2.49 r180
  text "VOCM" at 56.9,268 h2.49 r180
  text "3" at 38.3,238.275 h2
  text "USBH" at 37.9,235.175 h2 r90
  text "2" at 38.3,235.175 h2
  text "PWR BTN" at 68.2,231.4 h2.49
  text "VIN" at 35.3,225.4 h2.49
  text "GND" at 35.3,221.884 h2.49
  text "Audio-Streamer" at 7.4,216.5 h4
  text ".ProjectName Rev. .Revision" at 7.4,212.5 h4
  text ".ProjectAuthors" at 7.4,209.7 h4
  text "USBH3" at 49.025,175.6 h2
  text "USBH2" at 49.025,172.6 h2
  text "M.2 Key A PCIe" at 7.3,169.225 h2.49
  text "PWR CTRL" at 0.8,166.2 h2.49 r270
  text "-" at 0.276,152.55 h2.49 r270
  text "+" at 0.1,150.8 h2.49 r270
  text "ENC" at 6.625,145.725 h2.49 r270
  text "APALIS i.MX MODULE" at 16.6,111.875 h2.49
  text "I2C3" at 69.47,99.602 h2
  text "I2C1" at 69.47,96.3 h2
  text "M.2 Key M SATA" at 71,45.932 h2.49
  text "+5V" at 87.725,18.275 h2.49
  text "-" at 83,14.176 h2.49
  text "+" at 84.75,14 h2.49
  text "TOUCH I2C" at 43.975,8.75 h2.49
  text "DISP RGB" at 19.1,8.3 h2.49
Bottom Overlay:
  lines w0.3: 47.5,73.5 71.5,73.5 ; 47.5,76.5 71.5,76.5 ; 47.5,79.5 71.5,79.5 ; 47.5,82.5 71.5,82.5 ; 47.5,85.5 71.5,85.5 ; 47.5,88.5 71.5,88.5 ; 47.5,91.5 71.5,91.5 ; 47.5,94.5 71.5,94.5 ; 47.5,97.5 71.5,97.5 ; 47.5,100.5 71.5,100.5 ; 47.5,103.5 71.5,103.5 ; 47.5,106.5 71.5,106.5 ; 59.5,70.5 59.5,109.5 ; 47.5,70.5 47.5,109.5 71.5,109.5 71.5,70.5 47.5,70.5
  text "1" at 46.5,106.5 h2.5
  text "MCLK" at 59.5,106.5 h2.5
  text "BCLK" at 71.5,106.5 h2.5
  text "2" at 75.5,106.5 h2.5
  text "LRCLK" at 59.5,103.5 h2.5
  text "SDATA" at 71.5,103.5 h2.5
  text "RESET" at 59.5,100.5 h2.5
  text "MUTE" at 71.5,100.5 h2.5
  text "SCL/SCLK" at 59.5,97.5 h2.5
  text "SDA/MOSI" at 71.5,97.5 h2.5
  text "MISO" at 59.5,94.5 h2.5
  text "CS" at 71.5,94.5 h2.5
  text "CLK_EN_1" at 59.5,91.5 h2.5
  text "CLK_EN_2" at 71.5,91.5 h2.5
  text "REF_CLK" at 59.5,88.5 h2.5
  text "NC" at 71.5,88.5 h2.5
  text "A±12V_EN" at 59.5,85.5 h2.5
  text "A+3.3V_EN" at 71.5,85.5 h2.5
  text "A+5_EN" at 59.5,82.5 h2.5
  text "A+12V_PG" at 71.5,82.5 h2.5
  text "A-12V_PG" at 59.5,79.5 h2.5
  text "A+5V_PG" at 71.5,79.5 h2.5
  text "A+3.3V_PG" at 59.5,76.5 h2.5
  text "D+3.3V_PG" at 71.5,76.5 h2.5
  text "COM_3.3V" at 59.5,73.5 h2.5
  text "COM_GND" at 71.5,73.5 h2.5
  text "25" at 46.5,70.5 h2.5
  text "DAC_3.3V" at 59.5,70.5 h2.5
  text "DAC_GND" at 71.5,70.5 h2.5
  text "26" at 75.5,70.5 h2.5
Top Solder:
  text "B" at 41.4,32.7 h12
Bottom Solder:
  rectangle: 64.75,204 68,207.167
Mechanical 1:
  the board outline again, w0.1

## Text inside footprints (layer, text, board x,y; h text height)
TP200: Top Overlay "GND" at 79.325,182.075 h0.75
TP201: Top Overlay "GND" at 92.1,26.375 h0.75
X900: Top Overlay "40" at 35.3,7.8 h0.8 r180; Top Overlay "1" at 15.3,7.8 h0.8 r180
X901: Top Overlay "1" at 46.95,18.4 h0.8 r180; Top Overlay "6" at 54.05,18.4 h0.8 r180